# Altium PCB master.PcbDoc (part 10 of 10)
Units mm, origin at the board's own origin, x right, y up, seen from the top; angles counter-clockwise.
Board outline 160 x 120 mm, 6 copper layers (Top Signal, Top GND, Inner PWR, Inner Signal, Bottom GND, Bottom Signal), stack 1.601 mm thick; 526 components, 435 nets, 2167 pads, 1617 vias.
Unrouted connection lines stored in the file: 3.
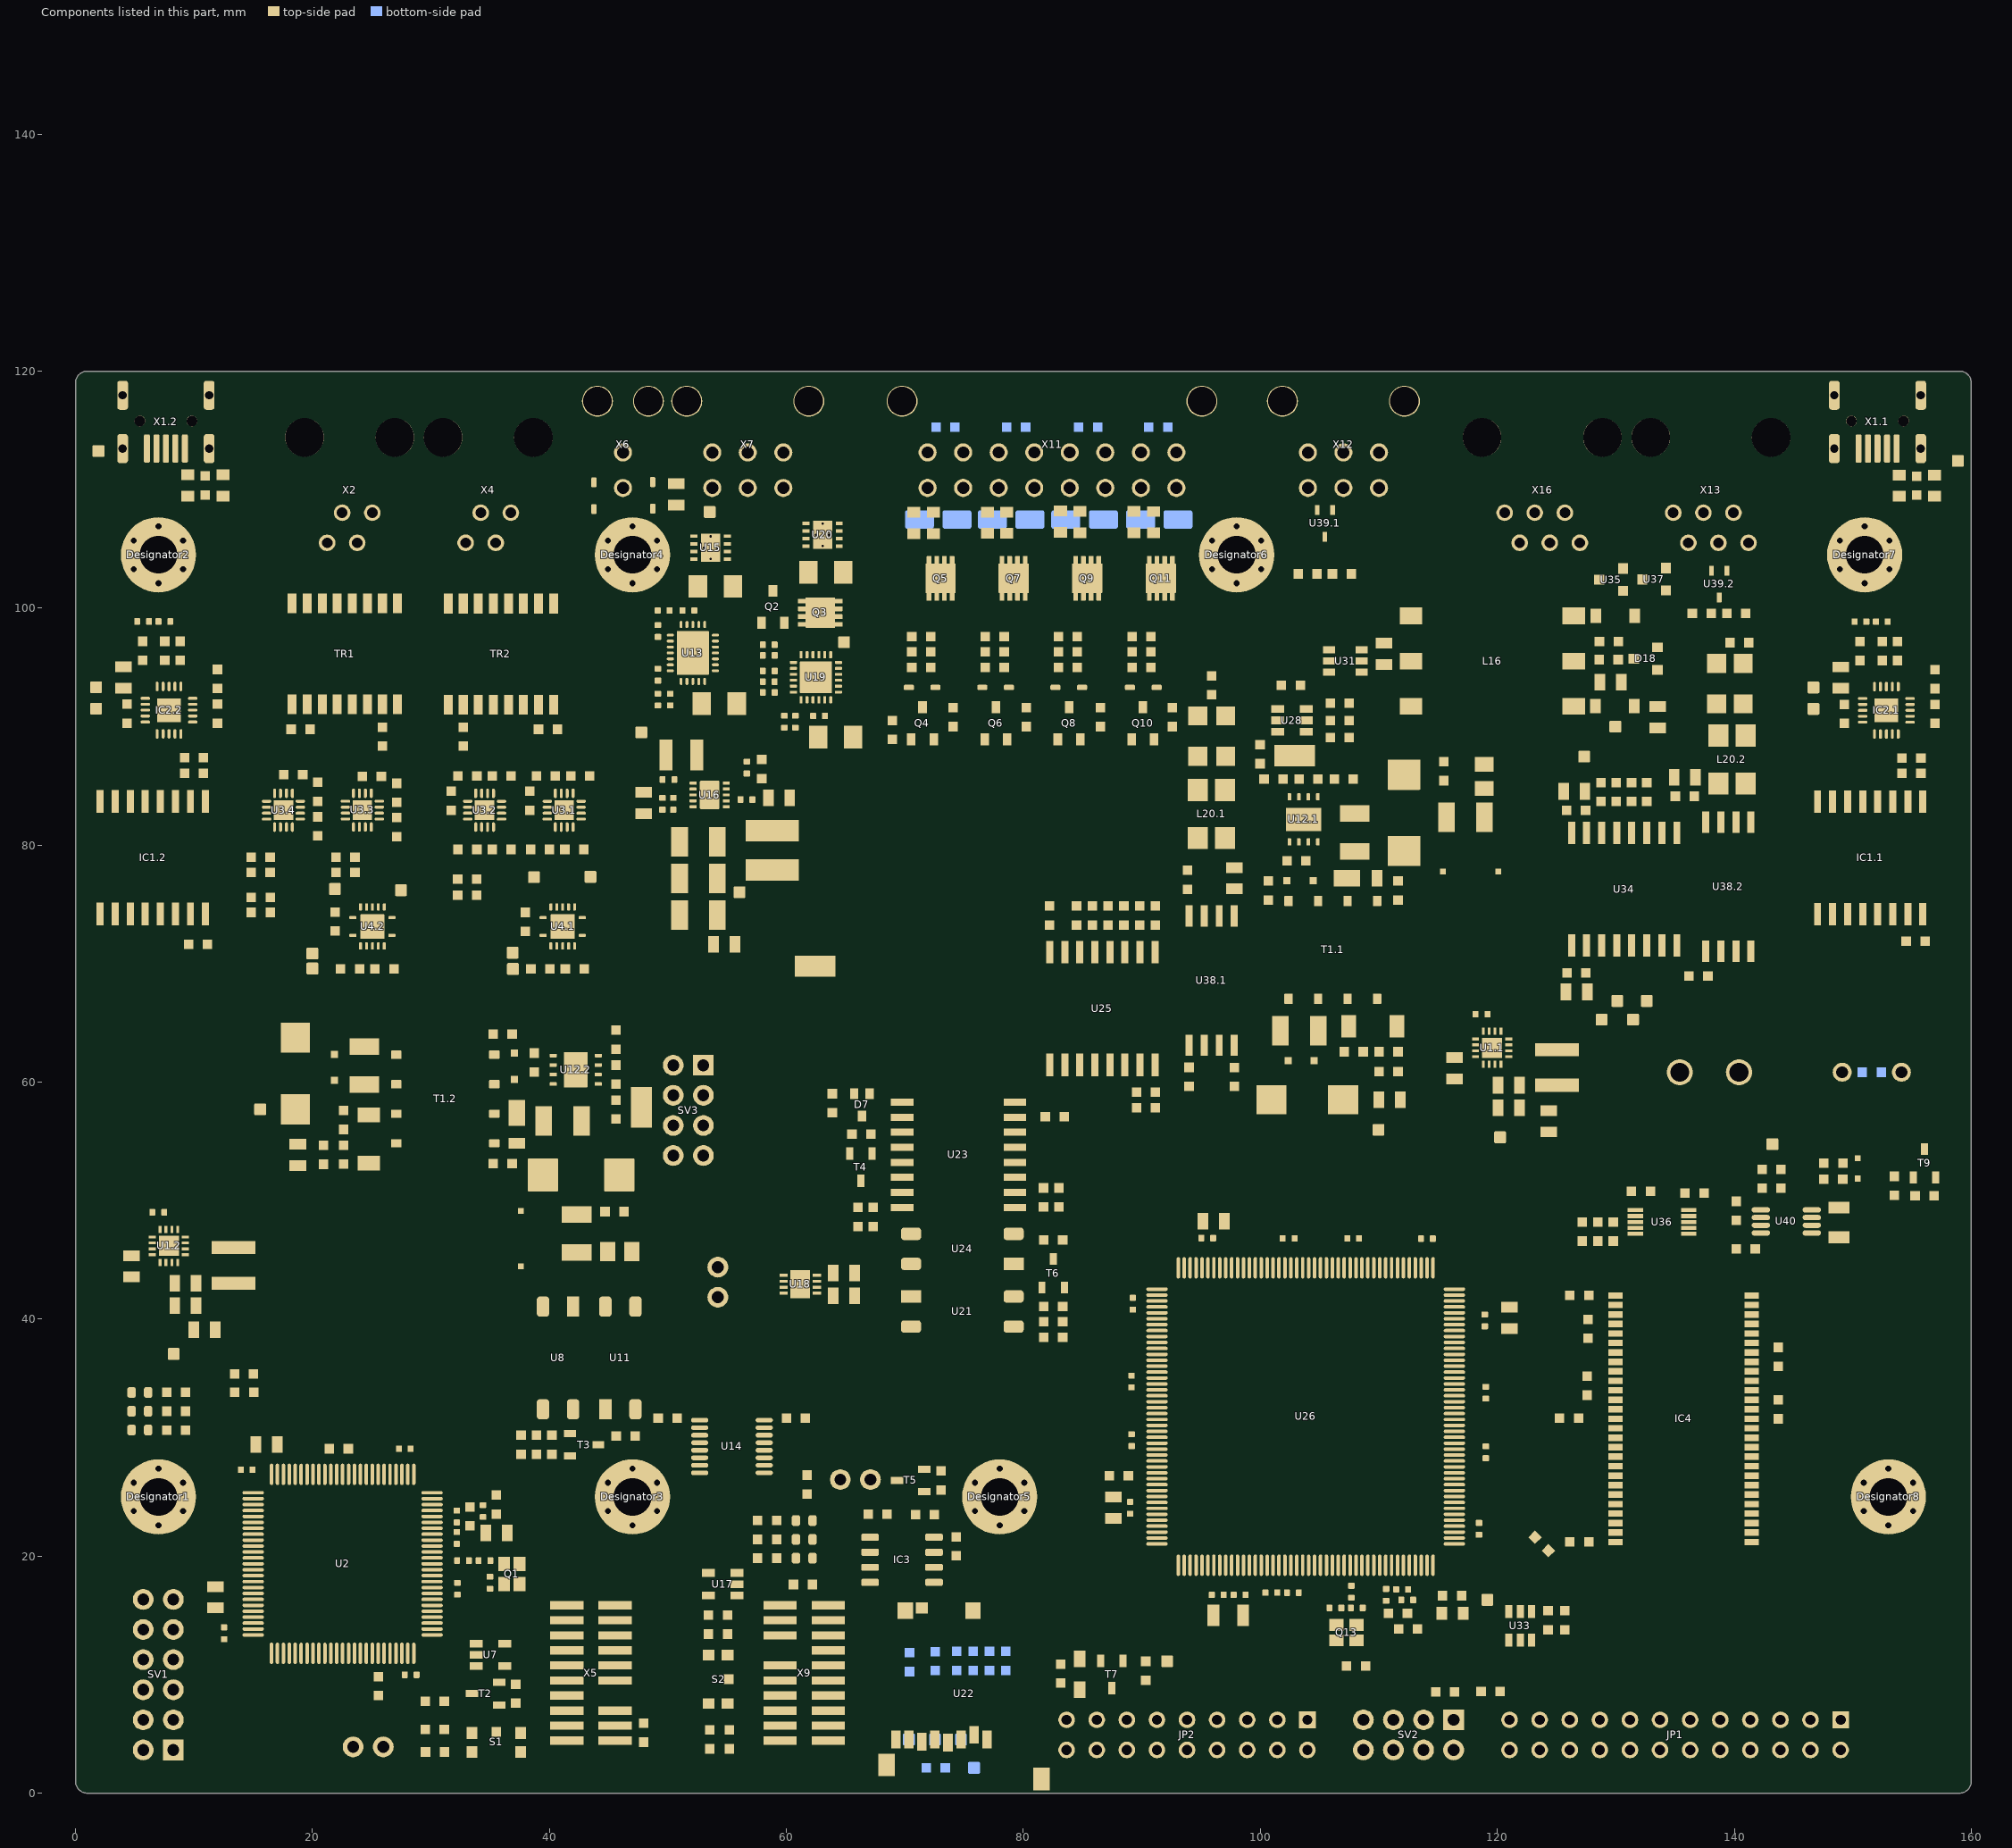
[diagram p14: the components of this part, seen from the top]

## Polygon pours and split planes (outlines as drawn) (continued)
GND_1 on Top Signal "GND_1_L01_P247" (solid, pour order 247): 91.162,41.746 91.15,21.875 93.853,19.172 113.772,19.172 116.509,21.909 116.509,41.697 113.706,44.5 93.916,44.5
GND_2 on Top Signal "GND_2_L01_P252" (solid, pour order 252): 7.35,49.235 7.35,49.594 cw(c9.056,49.594) 7.85,50.8 cw(c9.298,49.352) 9.299,51.4 11.6,51.4 11.6,48.3 8.628,48.3 8.09,48.327 8.047,48.693 7.706,48.819
GND_2 on Top Signal "GND_2_L01_P248" (solid, pour order 248): 15.075,24.666 15.075,14.054 17.227,11.902 27.936,11.902 30.15,14.116 30.15,24.625 27.74,27.035 17.304,27.035
GND_1 on Top Signal "GND_1_L01_P224" (solid, pour order 224): 3.766,43.99 3.766,44.431 3.755,44.441 7.203,44.441 8.478,43.166 8.478,40.18 3.816,40.18 3.755,40.241
NetR71_2 on Top Signal "NETR71_2_L01_P234" (solid, pour order 234): 61.986,41.758 62.479,41.758 63.315,40.922 63.315,40.399 63.221,40.305 56,40.305 56,45.825 63.596,45.825 63.596,45.009 62.63,45.009 61.986,44.215
GND on Top Signal "GND_L01_P233" (solid, remove dead copper, pour order 233): 107.973,93.038 107.973,98.442 104.316,98.442 104.316,93.038
+9-30V_IN_1 on Top Signal "+9-30V_IN_1_L01_P228" (solid, pour order 228): 51.372,92.901 47.326,88.855 52.432,88.855 53.633,90.055 53.633,92.901
NetQ3_5 on Top Signal "Top Signal-NetQ4_5" (solid, remove dead copper, pour order 220): 63.857,101.125 65.403,101.125 65.403,96.006 64.692,95.296 64.087,95.296 64.087,95.536 63.857,95.766 63.117,95.766 63.117,96.972 61.976,98.113 61.976,101.125
EXT_2_SUPPLY on Top Signal "Top Signal-EXT_2_SUPPLY" (solid, pour order 218): 59.554,108.977 57.106,108.977 57.106,97.394 57.99,97.394 58.834,96.55 61.434,96.55 61.617,96.366 61.857,96.366 61.857,96.585 61.359,97.083 59.837,97.083 59.554,97.367
RTN_EXT_0 on Top Signal "Top Signal-RTN_EXT_0" (solid, remove dead copper, pour order 214): 17 vertices, not listed, extent 47.728,90.198 54.338,102.997
GND on Top Signal "GND_L01_P209" (solid, remove dead copper, pour order 209): 70.955,101.453 70.955,99.13 71.732,98.353 72.855,98.353 72.866,98.341 72.866,92.574 75.605,92.574 75.605,101.453
GND on Top Signal "GND_L01_P206" (solid, remove dead copper, pour order 206): 77.127,101.479 77.127,99.156 77.904,98.379 79.027,98.379 79.038,98.367 79.038,92.6 81.777,92.6 81.777,101.479
GND on Top Signal "GND_L01_P203" (solid, remove dead copper, pour order 203): 83.322,101.528 83.322,99.205 84.099,98.427 85.222,98.427 85.233,98.416 85.233,92.649 87.972,92.649 87.972,101.528
GND on Top Signal "GND_L01_P201" (solid, remove dead copper, pour order 201): 89.625,101.479 89.625,99.156 90.402,98.379 91.525,98.379 91.536,98.367 91.536,92.6 94.275,92.6 94.275,101.479
CONTACTOR_NEG_0 on Top Signal "CONTACTOR_NEG_0_L01_P198" (solid, remove dead copper, pour order 198): 73.18,111.299 cw(c73.935,110.544) 73.935,111.612 74.729,111.612 cw(c74.729,110.374) 75.605,111.249 75.605,101.724 70.955,101.724 70.955,104.499 72.039,105.583 73.18,105.583 73.18,111.049
CONTACTOR_NEG_1 on Top Signal "CONTACTOR_NEG_1_L01_P193" (solid, remove dead copper, pour order 193): 79.352,111.325 cw(c80.107,110.57) 80.107,111.638 80.901,111.638 cw(c80.901,110.4) 81.777,111.275 81.777,101.75 77.127,101.75 77.127,104.525 78.211,105.609 79.352,105.609 79.352,111.075
GND_2 on Top Signal "GND_2_L01_P236" (solid, remove dead copper, pour order 236): 0,86.323 0,0.61 0.559,0.051 50.484,0 50.484,2.55 4.4,2.55 2.5,4.45 2.5,86.323
GND_1 on Top Signal "GND_1_L01_P235" (solid, remove dead copper, pour order 235): 160,75.5 160,-1.168 52.73,-1.168 52.73,2.686 157.305,2.15 157.305,75.5
GND on Top Signal "GND_L01_P230" (solid, pour order 230): 54.397,111.744 56.807,113.274 56.807,96.6 56.95,96.458 56.95,90.507 58.339,89.117 58.339,87.784 51.997,87.784 51.885,87.672 51.885,87.853 54.397,90.365
SUPPLY_ext on Top Signal "SUPPLY_EXT_L01_P212" (solid, remove dead copper, pour order 212): 65.005,87.977 65.354,87.628 65.354,64.118 62.211,60.975 62.211,51.686 61.22,50.695 52.63,50.695 51.6,51.725 51.6,57.1 52,57.5 53.7,57.5 56.077,59.877 56.077,70.968 61.9,76.792 61.9,87.95
CONTACTOR_NEG_2 on Top Signal "CONTACTOR_NEG_2_L01_P195" (solid, remove dead copper, pour order 195): 85.547,111.374 cw(c86.302,110.619) 86.302,111.686 87.096,111.686 cw(c87.096,110.448) 87.972,111.324 87.972,101.799 83.322,101.799 83.322,104.574 84.406,105.658 85.547,105.658 85.547,111.124
CONTACTOR_NEG_3 on Top Signal "CONTACTOR_NEG_3_L01_P191" (solid, remove dead copper, pour order 191): 91.85,111.325 cw(c92.605,110.57) 92.605,111.638 93.399,111.638 cw(c93.399,110.4) 94.275,111.275 94.275,101.75 89.625,101.75 89.625,104.525 90.709,105.609 91.85,105.609 91.85,111.075
GND_1 on Top Signal "GND_1_L01_P222" (solid, pour order 222): 115.445,60.701 115.445,61.141 115.434,61.152 118.882,61.152 120.157,59.876 120.157,56.89 115.495,56.89 115.434,56.951
SUPPLY_ext on Top Signal "SUPPLY_EXT_L01_P231" (solid, pour order 231): 64.687,88.162 64.687,86.348 64.687,77 61.904,77 61.904,88.162
GND on Top Signal "GND_L01_P226" (solid, pour order 226): 56.845,114.3 67.818,114.3 68.525,113.593 68.525,84.161 65.59,84.161 65.59,109.87 62.684,112.777 56.753,112.777
GND on Top Signal "GND_L01_P232" (solid, remove dead copper, pour order 232): 57.264,96.476 57.264,90.668 58.442,89.49 61.068,89.49 61.354,89.776 61.354,90.196 61.137,90.413 59.578,90.413 58.472,91.519 58.472,96.476
GND_1 on Bottom Signal "GND_1_L06_P217" (solid, remove dead copper, pour order 217): 159.997,76.925 160.147,-1.168 52.349,-1.168 52.349,21.194 -661.787,8.875 157.125,2.145 157.125,76.925
USB_GND_2 on Bottom Signal "USB_GND_2_L06_P227" (solid, remove dead copper, pour order 227): 0,94.97 0,82.45 15.78,82.45 15.78,94.989
USB_GND_1 on Bottom Signal "USB_GND_1_L06_P225" (solid, remove dead copper, pour order 225): 144.069,94.775 144.069,80.95 160,80.95 160,94.794
SUPPLY_ext on Bottom Signal "SUPPLY_EXT_L06_P215" (solid, pour order 215): 94.8,115.575 94.8,80.23 61.503,80.23 61.503,87.753 65.814,92.064 65.814,115.575
GND on Bottom Signal "GND_L06_P251" (solid, pour order 251): 46.99,65.1 34.915,65.1 34.915,45.226 43.766,45.226 46.99,48.45
GND on Bottom Signal "GND_L06_P250" (solid, pour order 250): 98.125,86.825 98.125,74.75 117.999,74.75 117.999,83.601 114.775,86.825
no net on Bottom Signal "EXT_0_GND_U7_THERMAL" (solid, pour order 249): 65.5,96.131 65.5,80.23 57.58,80.23 57.58,96.055
GND_2 on Bottom Signal "GND_2_L06_P219" (solid, remove dead copper, pour order 219): 49.708,0.092 49.708,2.643 2.375,2.643 2.375,86.3 -0.025,86.3 -0.025,1.025 1,0
NetQ3_5 on Bottom Signal "NETQ3_5_L06_P246" (solid, pour order 246): 57.35,101.08 65.726,101.08 65.756,101.05 65.756,96.656 65.425,96.325 57.341,96.325 57.276,96.39
ZHS_2 on Bottom Signal "ZHS_2_L06_P208" (solid, pour order 208): 65.814,107.893 65.814,101.179 57.35,101.179 57.35,107.825 57.45,107.925
GND on Bottom Signal "EXT_0_GND_U7_THERMAL" (solid, pour order 205): 57.238,90.545 57.238,80.193 56.123,79.079 51.546,79.079 47.461,83.164 47.461,90.45
CONTACTOR_NEG_0 on Bottom Signal "CONTACTOR_NEG_0_L06_P200" (solid, remove dead copper, pour order 200): 75.605,111.1 75.605,92.625 70.599,92.625 70.565,106.058 73.276,106.058 73.276,111.117
CONTACTOR_NEG_1 on Bottom Signal "CONTACTOR_NEG_1_L06_P197" (solid, remove dead copper, pour order 197): 81.777,111.1 81.777,92.625 76.85,92.625 76.85,106.058 79.44,106.058 79.44,111.1
CONTACTOR_NEG_2 on Bottom Signal "CONTACTOR_NEG_2_L06_P194" (solid, remove dead copper, pour order 194): 87.972,111.1 87.972,92.625 82.975,92.625 82.975,106.014 85.398,105.988 85.398,111.1
CONTACTOR_NEG_3 on Bottom Signal "CONTACTOR_NEG_3_L06_P192" (solid, remove dead copper, pour order 192): 94.275,111.1 94.275,92.625 89.3,92.625 89.3,106.038 91.459,106.038 91.459,111.1
RTN_EXT_0 on Bottom Signal "RTN_EXT_0_IC18_THERMAL" (solid, pour order 213): 47.686,90.637 57.106,90.637 57.106,100.689 47.686,100.689
NetR71_2 on Bottom Signal "NETR71_2_L06_P202" (solid, remove dead copper, pour order 202): 55.975,45.815 55.975,40.25 64.846,40.25 64.846,45.815
ZHS_0 on Bottom Signal "Bottom Signal-ZHS" (solid, pour order 211): 50.8,100.715 50.8,107.65 57.061,107.65 57.061,100.715
+3.3V_COM on Inner Signal "+3.3V_COM_L04_P241" (solid, remove dead copper, pour order 241): 143.919,120.009 115.602,120.009 115.526,120.085 115.526,112.685 117.627,110.584 117.627,100.66 122.923,95.363 122.923,82.808 124.206,81.525 144.091,81.525
GND_1 on Inner Signal "Inner Signal-CAN_GND_INT" (solid, remove dead copper, pour order 199): 160,81.026 160,55.347 160.147,-1.168 70.485,-1.168 29.05,-1.168 29.05,87.275 52.448,87.275 53.216,40.668 64.698,40.668 64.698,66.556 69.764,71.623 97.913,71.623 100.686,74.524 118.457,74.433 124.851,81.026
GND_2 on Inner Signal "GND_2_L04_P207" (solid, remove dead copper, pour order 207): -0.027,86.325 29.359,86.325 29.341,35.462 56.25,35.462 56.25,-0.507 0.507,-0.507 0,0
GND on Inner Signal "GND_L04_P242" (solid, remove dead copper, pour order 242): 25 vertices, not listed, extent 32.541,36.625 123.056,120.009
USB_GND_1 on Inner Signal "USB_GND_1_L04_P240" (solid, remove dead copper, pour order 240): 144.069,119.99 144.069,80.95 160,80.95 160,120.009
USB_GND_2 on Inner Signal "USB_GND_2_L04_P210" (solid, pour order 210): -0.6,119.999 -0.6,83.388 14.046,83.388 14.046,96.723 14.046,120.017
no net on Inner Signal "Inner Signal-No Net 1" (solid, pour order 204): 0.025,75.26
no net on Inner Signal "Inner Signal-No Net" (solid, pour order 196): 154.28,60.757
USB_GND_1 on Top GND (split plane): 23 vertices, not listed, extent 145.068,79.852 159.398,119.398
GND_COM on Top GND (split plane): 23 vertices, not listed, extent 116.528,77.527 143.07,119.398
GND_1 on Top GND (split plane): 75 vertices, not listed, extent 51.587,0.601 159.399,77.848
GND on Top GND (split plane): 77 vertices, not listed, extent 32.377,37.052 121.996,119.398
GND_1 on Top GND (split plane): 44.548,67.652 32.133,67.652 32.084,67.709 30.577,69.215 30.577,87.3 44.548,87.3
USB_GND_2 on Top GND (split plane): 27 vertices, not listed, extent 0.602,79.277 14.052,119.399
GND_2 on Top GND (split plane): 64 vertices, not listed, extent 0.602,0.601 54.455,86.315
USB_+3.3V_1 on Inner PWR (split plane): 19 vertices, not listed, extent 144.571,81.352 157.498,94.948
USB_+VBUS_1 on Inner PWR (split plane): 23 vertices, not listed, extent 144.571,89.477 157.498,117.498
+3.3V_COM on Inner PWR (split plane): 25 vertices, not listed, extent 116.027,79.562 143.566,117.303
+3.3v_in on Inner PWR (split plane): 75 vertices, not listed, extent 33.477,37.177 125.738,117.303
USB_+3.3V_2 on Inner PWR (split plane): 23 vertices, not listed, extent 2.502,83.23 14.411,94.848
USB_+VBUS_2 on Inner PWR (split plane): 20 vertices, not listed, extent 2.502,91.202 14.393,117.303
+3.3V_0 on Inner PWR (split plane): 104 vertices, not listed, extent 28.677,2.502 157.498,87.225
+3.3V_1 on Inner PWR (split plane): 45 vertices, not listed, extent 2.502,2.502 54.923,86.798
USB_GND_1 on Bottom GND (split plane): 159.078,119.392 159.153,119.369 159.222,119.332 159.282,119.282 159.332,119.222 159.369,119.153 159.392,119.078 159.399,119.007 159.398,119 159.398,81.785 146.81,81.785 145.071,83.524 145.071,119.398 159,119.398 159.007,119.399
GND_COM on Bottom GND (split plane): 23 vertices, not listed, extent 116.528,78.327 143.067,119.398
+9-30V_IN_1 on Bottom GND (split plane): 88 vertices, not listed, extent 34.252,38.052 121.996,119.398
GND_1 on Bottom GND (split plane): 140 vertices, not listed, extent 29.802,0.601 159.399,87.45
USB_GND_2 on Bottom GND (split plane): 33 vertices, not listed, extent 0.601,77.877 14.11,119.399
GND_2 on Bottom GND (split plane): 75 vertices, not listed, extent 0.601,0.601 54.548,87.45

## Keep-outs
Top Signal:
  lines w1.8: 16.05,88.209 21.213,88.209 21.675,88.671 21.675,89.469 ; 37.325,89.43 37.325,88.625 37.763,88.187 42.148,88.187 42.9,88.939 42.9,91.925
  lines w2.5: 11.454,77.975 12.669,79.189 12.669,85.194 ; 12.7,85.214 15.119,87.633 15.119,119.493 ; 15.14,94.655 29.269,94.655 ; 29.575,93.736 29.575,68.775 31.175,67.175 ; 31.175,66.54 45.486,66.54 45.486,103.189 41.879,106.796 41.879,119.984
  lines w3.8: 50.596,0 50.596,20.711 55.4,25.515 55.4,35.475 ; 115.525,118.643 115.525,112.567 117.628,110.464 117.628,95.25 122.936,89.942 122.936,74.55 ; 143.919,78.175 143.919,110.744 143.919,118.564
  lines w5: 0.375,77.975 11.454,77.975 ; 31.175,66.54 31.175,40.584 35.709,36.05 75.3,36.05 75.3,60.2 81.75,66.65 96.875,66.65 100.45,70.225 119.775,70.225 125.9,76.35
  lines w6: 124.7,76.25 141.994,76.25 143.919,78.175 ; 144.382,78.715 160,78.715
Inner Signal:
  lines w1: 0.025,82.855 11.76,82.855 11.76,85.34 14.612,88.192 14.612,97.8 14.612,120 ; 14.612,89.778 44.936,89.778 44.936,98.013 41.377,101.572 41.377,120 ; 29.775,89.82 29.775,68.521 28.175,66.922 28.175,38.202 31.177,35.2 40.076,35.2 54.208,35.2 55.441,33.967 55.441,25.566 51.003,21.128 51.003,0 ; 44.936,94.162 45.6,93.497 45.6,68.325 43,65.725 34,65.725 32.992,64.717 32.992,41.597 34.486,40.104 41.258,40.104 56.161,40.104 59.565,36.7 74.925,36.7 74.925,60.063 81.687,66.825 96.65,66.825 102.15,72.325 119.942,72.325 128.483,80.866 159.911,80.866 ; 115.526,120.085 115.526,112.897 117.627,110.795 117.627,100.462 122.998,95.091 122.998,82.258 126.437,78.82 ; 143.946,80.866 143.946,119.962
Bottom Signal:
  lines w0.3: 57.278,90.585 57.475,90.388 57.475,80.025 61.65,80.025 61.7,79.975 61.7,88.025 65.675,92 65.675,96.668 ; 57.332,96.313 65.351,96.313 65.814,96.776 65.814,101.179 ; 57.332,99.125 57.332,107.95 ; 57.332,100.979 51.057,100.979 ; 51.057,100.979 48.42,100.979 47.461,100.02 47.461,90.45 57.143,90.45 57.332,90.64 57.332,101.125 65.814,101.125 65.814,107.95 57.332,107.95 ; 51.057,100.979 50.8,101.236 50.8,107.79 50.96,107.95 57.332,107.95
  lines w1: 14.612,118.77 14.612,113.785 15.291,113.106
  lines w2: 15.291,97.155 15.291,113.106
  lines w2.5: 0.7,76.825 11.6,76.825 13.175,78.4 13.175,85.625 15.119,87.569 15.119,96.984 15.291,97.155 ; 15.119,97.293 15.119,119.493 ; 29.6,89.325 29.6,66.45 43.675,66.45 45.504,68.279 45.504,103.257 41.879,106.882 41.879,119.984
  lines w3.8: 31.15,65.825 31.15,40.825 35.95,36.025 74.75,36.025 74.75,59.6 81.65,66.5 96.675,66.5 103,72.825 122.672,72.825 122.875,73.028 122.875,95.3 117.628,100.547 117.628,110.464 115.525,112.567 115.525,118.643 ; 50.596,0 50.596,20.691 55.4,25.495 55.4,36.025 ; 123.075,77.925 143.69,77.925 144.069,77.546 160,77.546 ; 143.919,77.546 143.919,110.744 143.919,118.564
Keep-Out Layer:
  the board outline again, w0

## Other copper
Top Signal:
  rectangle net +5.0V_1: 16.352,51.675 19.46,53.675
  rectangle net GND: 95.48,93.889 96.28,95.385
  region net +3.3V_COM: 130.826,90.348 130.826,88.433 135.075,88.433 135.075,90.348
  rectangle net GND_COM: 132.222,93.441 133.968,95.185
  rectangle net +3.3V_1: 9.483,36.355 13.304,37.987
  rectangle net +3.3V_0: 121.222,54.53 126.682,56.252
  region net +9-30V_IN_1: 53.482,92.44 53.482,93.997 52.531,93.997 52.531,92.44
  region net +9-30V_IN_1: 53.487,91.969 53.487,92.916 52.199,92.916 52.199,91.969
  region net NetC162.2_1: 137.703,96.127 138.947,97.371 cw(c139.224,97.094) 139.224,97.485 140.024,97.485 140.12,97.389 cw(c139.676,96.945) 140.304,96.945 ccw(c141.024,96.945) 140.515,96.435 140.6,96.35 ccw(c140.725,96.475) 140.725,96.298 141.15,96.298 cw(c141.15,95.75) 141.537,96.138 141.548,96.127 141.548,94.527 137.78,94.527 cw(c137.78,94.636) 137.703,94.559
  pour cut-out: 6.164,93.169 9.663,93.169 9.665,89.685 6.166,89.685
  pour cut-out: 151.062,93.153 154.561,93.153 154.563,89.669 151.065,89.669
  region net USB_GND_1: 151.084,91.5 150.197,91.5 149.529,90.832 148.011,90.832 147.946,90.767 147.946,89.963 148.026,89.882 150.261,89.882 150.261,91.001 150.51,91.25 151.082,91.25
  region net USB_+VBUS_1: 151.063,91.75 150.139,91.75 149.515,91.125 147.617,91.125 147.421,91.321 147.421,93.457 147.646,93.682 150.091,93.682 150.261,93.511 150.261,92.057 150.319,92 151.063,92
  region net USB_GND_1: 150.998,96.782 150.69,96.782 149.678,95.77 149.678,94.582 147.597,94.582 147.421,94.759 147.421,97.334 147.669,97.582 150.998,97.582
  region net USB_+3.3V_1: 150.198,95.182 150.198,94.262 150.658,93.802 151.713,93.802 151.713,93.1 151.96,93.1 151.96,94.221 151.458,94.722 151.458,95.522 150.998,95.982 150.198,95.982
  region net USB_+3.3V_2: 5.253,95.198 5.253,94.278 5.712,93.819 6.767,93.819 6.767,93.116 7.014,93.116 7.014,94.237 6.513,94.738 6.513,95.538 6.053,95.998 5.253,95.998
  region net USB_GND_2: 6.053,96.799 5.744,96.799 4.732,95.787 4.732,94.598 2.652,94.598 2.475,94.775 2.475,97.35 2.724,97.599 6.053,97.599
  region net USB_+VBUS_2: 6.117,91.766 5.193,91.766 4.569,91.142 2.671,91.142 2.475,91.338 2.475,93.474 2.7,93.699 5.145,93.699 5.316,93.528 5.316,92.073 5.373,92.016 6.117,92.016
  region net USB_GND_2: 6.138,91.516 5.251,91.516 4.583,90.848 3.065,90.849 3,90.784 3,89.979 3.081,89.898 5.316,89.898 5.316,91.018 5.564,91.266 6.136,91.266
  region net GND: 51.675,82.425 54.054,82.425 54.098,82.381 54.098,81.923 53.95,81.775 53.302,81.775 53.128,81.601 53.128,73.001 52.775,72.648 51.65,72.648
  region net GND: 51.682,83.639 51.682,82.636 50.805,82.636 50.805,83.058 51.583,83.836 52.199,83.836 52.199,83.639
  region net +9-30V_IN_1: 47.933,49.481 45.886,49.481 45.886,48.418 44.717,48.418 44.521,48.222 44.521,46.9 44.696,46.725 45.834,46.725 45.834,44.855 47.951,44.855
  region net +9-30V_IN_1: 115.069,87.825 115.069,86.38 116.132,86.38 116.132,84.608 116.328,84.412 117.65,84.412 117.825,84.587 117.825,85.725 119.695,85.725 119.695,87.843
  region net GND: 101.863,81.182 105.416,81.182 105.644,80.968 109.209,80.968 109.209,81.1 116.419,81.1 116.419,83.6 115.869,84.15 115.869,85.066 113.715,87.22 108.685,87.22 107.434,85.969 107.434,84.981 107.415,84.981 105.596,83.162 102.926,83.162 102.624,83.464 102.624,84.981 98.8,84.981 98.8,81.64 101.405,81.64
  region net NetC50.1_2: 118.469,80.425 118.469,80.85 118.094,81.225 118.094,85.419 120.372,85.419 120.878,84.913 120.878,75.534 120.469,75.125 119.875,75.719 119.875,79.675
  region net NetC47.1_1: 110.616,76.575 112.275,76.575 113.725,75.125 115.869,75.125 115.869,80.425 115.514,80.78 110.724,80.78 110.116,80.172 105.75,80.172 105.391,79.813 104.41,79.813 104.2,80.023 104.2,80.572 103.9,80.572 103.9,79.719 104.847,78.772 108.411,78.772 108.893,78.29 108.893,76.31 109.511,75.692 109.511,74.881 110.207,74.916 110.207,75.694 110.616,76.103
  region net GND: 105.259,106.435 105.259,106.12 105.115,105.975 105.115,104.375 105.75,104.375 105.75,105.998 105.63,106.118 105.63,106.435
  region net NetC50.2_2: 45.544,46.5 43.762,46.5 43.587,46.325 40.5,46.325 40.225,46.05 40.225,44.05 44.694,44.05 45.544,44.9
  region net NetC47.2_1: 40.214,55.485 40.214,54.033 40.727,53.52 40.727,50.052 40.225,49.55 34.925,49.55 34.925,51.2 36.145,52.42 36.145,54.078
  region net NetC162.1_1: 93.918,90.097 93.918,91.697 95.318,93.097 96.443,93.097 97.843,91.697 97.843,90.109 97.831,90.097
  region net +3-4.5v_out: 134.218,91.118 131.78,91.118 130.226,92.671 130.226,98.438 131.746,99.958 134.036,99.958 134.036,97.382 132.488,97.382 132.051,96.945 132.051,93.204 132.217,93.038 134.218,93.038
  region net GND_COM: 125.518,93.219 125.518,95.457 127.651,97.589 128.926,97.589 128.926,93.219
  region net NetL16_3: 109.047,94.888 110.825,93.109 113.659,93.109 113.659,91.028 110.053,91.028 108.047,93.034 108.047,94.888
  region net +3.3v_in: 108.047,95.238 109.047,95.238 110.938,93.347 113.659,93.347 113.659,96.337 111.976,96.337 109.546,96.337 109.047,95.838 108.047,95.838
  region net NetL16_1: 108.047,96.188 108.047,98.6 109.494,100.048 113.659,100.048 113.659,97.929 109.851,97.929 109.047,97.125 109.047,96.188
  pour cut-out: 145.843,46.921 145.843,49.846 147.134,51.136 150.086,51.136 150.9,50.322 150.9,46.075 150.1,45.275 147.201,45.275 145.843,46.633
  region net NetQ3_5: 63.117,96.972 63.117,95.766 63.956,95.766 64.087,95.635 64.087,95.296 64.687,95.296 65.403,96.011 65.403,98.001
  region net GND: 44.85,65.097 46.863,65.097 47.701,65.935 47.701,67.666 47.264,68.103 47.264,70.497 51.682,70.497 51.682,60.678 51.132,60.127 49.439,60.127 46.463,60.127 46.463,63.534 46.012,63.985 44.861,63.985 44.824,63.947
  region net SUPPLY_ext: 60.3,57.482 51.682,57.482 51.682,52.756 60.3,52.756
  region net +3.3v_in: 53.405,72.323 52.985,71.902 52.985,66.908 53.272,66.62 53.862,66.62 55.808,68.566 55.807,70.206 54.879,70.849 54.879,71.923 54.48,72.323
  region net EXT_+3.3V_0+: 57.264,72.844 56.043,71.623 55.205,71.623 55.205,72.192 54.554,72.844
  region net NetL15_2_1: 8.99,46.555 9.78,46.555 10.16,46.935 14.836,46.935 15.192,46.578 15.192,44.864 14.813,44.485 10.475,44.485 9.645,45.315 8.99,45.315
  region net +3.3V_1+: 15.192,43.578 11.278,43.578 10.878,43.978 9.769,43.978 9.506,43.716 9.506,40.313 9.578,40.241 11.76,40.241 11.961,40.442 13.361,40.442 15.192,42.273
  region net +5.0V_1: 6.778,45.315 6.314,45.315 5.657,44.658 3.755,44.658 3.755,46.746 3.766,46.757 3.777,46.745 5.988,46.745 6.178,46.555 6.778,46.555
  region net GND_2: 3.755,44.441 5.317,44.441 5.89,43.868 5.89,43.56 6.2,43.25 8.286,43.25 8.286,40.025 5.126,40.025 3.755,41.396
  region net GND_2: 8.008,45.085 7.878,45.215 7.878,47.155 8.008,47.285 8.008,48.401 8.748,48.401 8.748,47.055 8.718,47.025 8.718,45.345 8.748,45.315 8.748,45.085 9.175,44.658 9.175,40.241 7.654,40.241 7.654,43.99 8.008,44.345
  region: 61.923,42.715
  region: 25.898,37.602 25.975,37.526
  region net +5.0V_0: 111.023,56.89 115.275,56.89 115.275,61.4 113.365,61.4 113.365,59.975 111.023,59.975
  region net +3.3V_0+: 126.871,60.289 122.957,60.289 122.557,60.689 121.448,60.689 121.186,60.426 121.186,57.023 121.257,56.951 123.44,56.951 123.64,57.152 125.04,57.152 126.871,58.983
  region net +5.0V_0: 118.457,62.025 117.993,62.025 117.336,61.369 113.367,61.369 113.367,63.455 117.667,63.455 117.857,63.265 118.457,63.265
  region net GND_1: 119.687,61.795 119.557,61.925 119.557,63.865 119.687,63.995 119.687,65.112 120.427,65.112 120.427,63.765 120.397,63.735 120.397,62.055 120.427,62.025 120.427,61.795 120.854,61.369 120.854,60.627 119.333,60.627 119.333,60.701 119.687,61.055
  region net NetL15_1_1: 120.669,63.265 121.459,63.265 121.839,63.645 126.515,63.645 126.871,63.289 126.871,61.575 126.492,61.195 122.154,61.195 121.324,62.025 120.669,62.025
  region net SUPPLY_ext: 63.117,90.99 61.904,89.776 61.904,88.162 64.687,88.162 64.687,90.19 65.403,90.905 65.403,92.321 64.687,93.036 64.327,93.036 63.857,92.566 63.117,92.566
  region net GND: 64.687,95.036 65.59,95.939 66.276,95.939 66.276,92.393 65.59,92.393 64.688,93.295 63.587,93.298 63.587,95.036
  region net EXT_2_SUPPLY: 61.682,99.051 61.682,101.114 62.633,102.065 62.633,103.96 61.928,104.665 61.009,104.665 59.457,103.113 59.457,99.051
  region net GND: 51.682,70.497 47.264,70.497 47.264,83.107 48.664,83.107 51.285,83.107 51.682,82.71
  region net EXT_+3.3V_0+: 53.482,80.845 55.179,80.845 56.556,79.468 60.396,79.468 61.052,78.813 61.052,76.631 57.264,72.844 53.482,72.844
  region net +9-30V_IN_1: 51.496,84.122 51.132,83.759 47.513,83.759 47.264,84.007 47.264,90.036 50.385,90.036 50.385,86.31 50.045,85.97 50.045,85.101 50.385,84.762 50.409,84.786 51.071,84.786 51.496,84.361
  region net NetC69_1: 54.635,83.361 57.468,83.361 57.772,83.057 60.73,83.057 61.052,82.736 61.052,80.312 56.556,80.312 54.635,82.232
  region: 125.318,146.6
  region net GND: 51.885,89.006 51.885,86.047 52.037,85.895 54.633,85.887 54.633,85.111 55.395,85.111 56.051,85.767 56.051,87.227 56.272,87.447 57.178,87.447 57.515,87.784 58.339,87.784 58.339,88.987
  region net NetC47.2_1: 34.923,55.183 35.735,55.183 36.353,55.8 38.332,55.8 38.814,56.283 38.814,59.847 39.761,60.794 40.614,60.794 40.614,60.494 40.065,60.494 39.855,60.284 39.855,59.303 40.214,58.944 40.214,55.485 38.807,54.078 36.145,54.078 35.736,54.487 34.958,54.487
  region net GND: 43.204,61.767 43.506,62.069 44.85,62.069 44.85,65.097 39.307,65.097 39.307,62.995 40.822,62.995 41.224,62.593 41.224,54.46 41.01,54.232 41.01,48.125 43.506,48.117 44.286,48.675 45.086,48.675 45.086,49.475 46.225,50.744 47.174,50.744 47.171,53.508 46.427,54.253 46.427,57.687 45.011,57.687 43.204,59.494
  region net NetC24.2_2: 27.509,57.637 27.509,53.253 26.574,52.318 22.212,52.318 22.212,52.678 23.459,53.926 23.459,55.777 24.065,56.383 25.917,56.383 26.06,56.526 26.06,57.668
  region net GND_2: 27.494,59.482 27.494,62.651 25.471,64.675 17.325,64.675 17.325,61.251 22.923,61.251 23.247,60.927 26.01,60.927 26.01,59.791 26.319,59.482
  region net +5.0V_1+: 25.639,60.493 17.325,60.493 17.325,54.775 17.85,54.25 17.873,54.273 21.325,54.273 21.325,55.888 22.146,56.71 23.722,56.71 23.815,56.617 25.705,56.617 25.705,60.427
  region net +5.0V_0+: 104.201,65.596 104.201,56.89 110.421,56.89 110.421,61.283 108.806,61.283 107.984,62.104 107.984,63.68 108.077,63.772 108.077,65.662 104.267,65.662
  region net GND_1: 105.259,67.467 101.443,67.467 98.6,64.624 98.6,56.252 103.222,56.252 103.222,62.66 103.767,63.204 103.767,65.967 104.903,65.967 105.259,66.323
  region net NetC24.1_2: 106.966,67.467 111.441,67.467 112.376,66.532 112.376,62.17 112.015,62.17 110.768,63.417 108.917,63.417 108.311,64.023 108.311,65.875 108.168,66.017 106.966,66.017
  pour cut-out: 53.377,32.477 53.377,25.846 54.013,25.21 56.959,25.21 57.475,25.726 57.475,33.874 57.298,34.051 53.563,34.051 53.359,33.848
  pour cut-out: 28.75,19.845 30.806,19.845 30.907,19.946 30.907,19.965 31.573,20.632 32.982,20.632 33.267,20.917 38.397,20.917 38.913,20.402 38.913,16.544 38.327,15.959 34.228,15.959 33.487,16.699 33.487,18.15 32.037,18.15 31.754,18.15 31.469,18.435 28.75,18.435
  region net EXT_0_SUPPLY: 52.482,98.437 53.222,98.437 53.222,101.294 52.545,101.971 51.427,101.971 51.427,100.563 51.978,100.012 51.978,99.579 52.482,99.075
  pour cut-out: 106.08,17.297 105.684,17.297 104.95,16.563 104.95,11.627 109.573,11.627 109.573,16.682 108.861,17.394 108.861,17.761 108.27,18.352 108.27,20.084 108.144,20.211 106.044,20.211
  pour cut-out: 96.393,20.041 96.393,18.304 96.356,18.267 95.598,18.267 94.667,17.337 94.667,13.752 95.208,13.211 99.491,13.211 99.955,13.675 99.955,17.314 98.933,18.336 98.284,18.336 98.284,20.089
  text "1" at 153.349,29.708 h2 r90
Inner Signal:
  rectangle net +5.0V_0: 113.367,58.225 115.4,63.45
  rectangle net +5.0V_0: 111.025,56.875 115.4,58.25
  text "4" at 153.349,35.708 h2 r90
Bottom Signal:
  region net +9-30V_IN_1: 117.999,84.35 117.999,87.8 115.944,87.8 115.944,84.35
  text "6" at 153.349,39.708 h2 r90
Top GND (plane layer: these items are gaps in the copper):
  region: 14.249,120 14.249,97.19 14.249,87.45 13.114,86.315 28.863,86.315 29.96,87.3 45.355,87.3 45.355,102.904 41.377,106.883 41.377,120
  lines w0.25: 29.312,18.575 31.25,18.575 31.681,18.143 33.529,18.143 33.63,18.041 33.63,16.72 34.265,16.086 38.43,16.086 38.913,16.568 38.913,20.434 38.41,20.937 33.222,20.937 32.954,20.669 31.477,20.669 31.09,20.282 31.09,19.819 30.912,19.642 29.312,19.642 ; 145.945,51.134 145.945,52.544 147.178,53.777 150.068,53.777 150.771,53.074 150.771,48.914 150.06,48.202 147.251,48.202 145.967,49.486 145.967,49.614
  lines w0.4: 96.571,19.939 96.571,18.11 95.416,18.11 94.615,17.31 94.615,13.716 95.12,13.211 99.504,13.211 100.041,13.748 100.041,17.332 99.263,18.11 98.07,18.11 98.07,19.99 ; 106.553,19.99 106.553,17.362 105.678,17.362 105.172,16.856 104.953,16.637 104.953,14.82 104.953,11.69 109.55,11.69 109.55,16.856 108.245,18.161 108.052,18.161 108.052,19.99
  lines w1: 0,74.625 0.083,74.625 ; 14.453,120 14.554,120 14.554,114.376 14.554,96.96 14.554,87.063 ; 27.664,94.264 27.664,91.363 30.125,88.902 ; 68.377,0 69.368,0
  lines w1.2: 159,119.628 cw(c159,118.628) 160,118.628 ; 159,120 1,120 ccw(c1,119) 0,119 0,1 ccw(c1,1) 1,0 159,0 ccw(c159,1) 160,1 160,119
  lines w2: 0.425,78.275 12.65,78.275 12.65,85.158 14.554,87.063 ; 29.475,90.39 29.575,90.29 29.575,68.8 31.375,67 31.375,40.48 35.78,36.075 45.1,36.075 56.311,36.075 ; 31.375,66.65 45.55,66.65 45.55,103.14 42.139,106.551 42.139,113.233 42.139,115.364 42.139,119.55 ; 50.607,0.8 50.607,20.807 55.457,25.657 55.457,31.58 55.457,35.905 ; 56.386,36 56.436,36.05 75.225,36.05 75.225,60.225 81.75,66.75 96.925,66.75 100.575,70.4 119.725,70.4 122.998,73.673 122.998,89.727 ; 115.526,119.55 115.526,112.685 117.627,110.584 117.627,95.098 122.998,89.727 ; 144.069,78.744 144.069,119.355 ; 159.5,78.85 144.175,78.85 141.85,76.525 122.998,76.525 122.998,82.258 122.998,89.727
  text "2" at 153.349,31.708 h2 r90
Inner PWR (plane layer: these items are gaps in the copper):
  region: 14.298,119.44 14.298,96.63 14.523,96.365 14.523,88.265 12.972,86.32 29.057,86.331 29.517,87.225 45.403,87.225 45.403,97.072 41.425,101.05 41.425,119.44
  region: 1.295,85.42 1.549,85.42 4.242,82.728 4.064,82.55 1.194,82.55
  region: 4.242,82.728 1.778,80.264 1.549,80.264 1.549,82.47 1.295,82.724
  lines w0.25: 0.263,91.075 3.998,91.075 4.8,91.877 4.8,94.5 5.275,94.975 7.528,94.975 14.772,94.975 ; 144.05,89.35 148.541,89.35 ; 148.505,89.35 149.041,89.35 149.597,89.905 149.597,94.347 150.325,95.075 152.775,95.075 153.8,94.05 159.45,94.05
  lines w1: 0.263,91.075 0.263,95.275 0.263,92.939 0.263,83.76 1.295,82.728 11.157,82.728 12.606,84.177 12.606,86.184 14.913,88.491 14.913,95.549 ; 14.453,120 14.453,96.882 14.896,96.438 14.896,94.852 ; 14.859,88.437 15.346,87.95 ; 28.905,120 28.905,110.515 30.048,109.372 ; 29.5,87.95 29.8,87.65 29.8,68.525 28.175,66.9 28.175,64.29 28.175,38.175 31.15,35.2 49.176,35.2 54.25,35.2 55.425,34.025 55.425,25.575 51.05,21.2 51.05,-0.025 ; 41.377,120.015 41.377,101.61 45.438,97.549 45.438,93.912 45.575,93.775 45.575,68.275 43.05,65.75 39.572,65.75 39.522,65.7 34,65.7 32.975,64.675 32.975,41.584 34.484,40.075 56.2,40.075 59.6,36.675 74.925,36.675 74.925,60 81.75,66.825 96.625,66.825 102.152,72.352 119.95,72.352 124.345,76.747 126.537,78.939 ; 43.612,117.805 49.911,117.805 ; 115.525,120.085 115.525,112.9 117.625,110.8 117.625,100.45 123,95.075 123,82.3 126.325,78.975 ; 126.51,78.912 128.448,80.85 159.895,80.85 ; 142.962,80.863 144.069,81.969 144.069,83.109 ; 144.069,119.99 144.069,82.048 145.267,80.85 ; 156.845,117.805 2.87,117.805 1.854,116.789 1.854,2.946 2.845,1.956 157.099,1.956 157.937,2.794 157.937,56.998 157.937,69.291 ; 157.912,77.546 157.912,77.699
  lines w2: 159.895,80.85 159.995,80.95
  lines w5: 0,1 ccw(c1,1) 1,0 159,0 ccw(c159,1) 160,1 160,119 ccw(c159,119) 159,120 1,120 ccw(c1,119) 0,119 0,1
  text "3" at 153.349,33.708 h2 r90
Bottom GND (plane layer: these items are gaps in the copper):
  rectangle: 123.44,75 126.1,79.575
  region: 14.11,120 14.11,87.45 45.355,87.45 45.355,97.632 41.377,101.61 41.377,120
  lines w1: 0.025,75.375 0.025,75.413 ; 13.005,120 14.612,120 14.612,114.343 14.612,97.968 ; 40.97,120.015 40.97,116.533 41.377,116.126 41.377,112.471 41.377,101.561
  lines w1.2: 0,1 ccw(c1,1) 1,0 159,0 ccw(c159,1) 160,1 160,119 ccw(c159,119) 159,120 1,120 ccw(c1,119) 0,119 0,1
  lines w2: 0.475,76.875 10.005,76.875 11.525,76.875 13.1,78.45 13.1,85.712 14.612,87.225 14.612,97.968 ; 29.45,90.75 29.45,68.85 28.8,68.2 28.8,40.075 35,33.875 48.154,33.875 54.9,33.875 55.55,33.225 55.55,27.625 55.55,25.716 55.25,25.416 50.55,20.716 50.55,18.579 ; 41.377,101.561 46.075,96.862 46.075,68 43.8,65.725 34.525,65.725 33.25,64.45 33.25,41.8 36.975,38.075 43.341,38.075 51.228,38.075 58.107,38.075 59.132,37.05 73.625,37.05 74.625,38.05 74.625,59.549 81.551,66.475 96.675,66.475 103.155,72.955 123.114,72.955 127.491,77.332 122.998,81.825 ; 50.55,0.531 50.55,18.469 ; 115.525,119.45 115.525,112.685 117.627,110.584 117.627,100.598 122.998,95.227 122.998,81.825 ; 122.998,72.955 122.998,81.825 ; 127.175,77.325 138.285,77.325 144.069,83.109 ; 141.743,80.783 159.5,80.783 ; 144.069,119.45 144.069,83.109 ; 146.394,80.783 144.069,83.109
  text "5" at 153.349,37.708 h2 r90
Multi-Layer:
  lines w0.2: 151.349,31.703 153.314,31.703 ; 151.349,33.684 153.349,33.684 ; 151.349,35.708 153.349,35.708 ; 151.349,37.697 153.349,37.697 ; 151.349,39.704 153.349,39.704 ; 151.349,29.708 151.349,41.708 153.349,41.708 153.349,29.708 151.349,29.708

## Silkscreen, mask and mechanical layers (free items; w line width, h text height)
Top Overlay:
  drawing of 263 lines, arcs and shapes, not listed
  text "D" at 96.895,97.41 h2
  text "eFuse: 2A" at 48.076,94.334 h1.27 r90
  text "F" at 23.002,88.936 h1
  text "E" at 34.946,88.647 h1
  text "C" at 47.621,86.909 h1
  text "D" at 98.696,83.935 h1
  text "C" at 70.632,74.261 h2
  text "B" at 72.08,67.097 h2
  text "B" at 38.296,63.785 h1
  text "A" at 6.675,61.2 h2 r270
  text "E" at 57.575,60.21 h2
  text "A" at 16.094,55.41 h1 r270
  text "3.3V" at 122.672,53.227 h1.5
  text "F" at 21.92,47.872 h2
  text "Interlock / Override" at 52.75,40.525 h1.3 r90
  text "3.3V" at 5.717,38.734 h1.5
  text "foxBMS.org" at 157.675,29.35 h2.54 r90
  text "foxBMS BMS-Master v'.GlobalVersion'" at 155.85,27.35 h1.27 r90
  text "Creative Commons" at 130.761,10.011 h1.27
  text "Attribution 4.0" at 130.761,8.792 h1.27
  text "1" at 105.792,5.695 h1.8
  text "1" at 150.392,5.695 h1.8
  text "1" at 10.084,3.099 h1.8
Bottom Overlay:
  lines w0.3: 129.996,98.887 135.549,98.887 135.75,98.887 136.119,98.519 136.119,95.665
  text "1" at 116.078,8.052 h1.8
Top Solder:
  rectangle: 135.44,46.98 136.85,49.43
  rectangle: 130.94,46.98 132.35,49.43
  rectangle: 59.3,41.963 63.015,43.924
  region: 16.383,12.662 16.383,10.938 28.689,10.938 28.689,12.662
  region: 15.85,25.513 14.127,25.513 14.127,13.207 15.85,13.207
  region: 28.702,26.046 28.702,27.769 16.396,27.769 16.396,26.046
  rectangle: 29.235,13.194 30.958,25.5
  region: 92.918,20.11 92.918,18.36 114.718,18.36 114.718,20.11
  region: 92.152,42.686 90.402,42.686 90.402,20.886 92.152,20.886
  region: 114.727,43.457 114.727,45.208 92.927,45.208 92.927,43.457
  rectangle: 115.496,20.879 117.246,42.679
Dimension:
  the board outline again, w0
Mechanical 2:
  the board outline again, w0.1
Mechanical 13:
  region: 53.934,18.646 42.921,18.646 42.723,18.448 42.723,12.149 44.018,10.853 49.608,10.853 51.283,12.528 51.283,16.475
Mechanical 16:
  lines w0.2: 0.076,75.423 0.076,81.2 0.283,81.407 10.983,81.407 14.732,85.156 14.732,95.834 13.917,96.65 13.917,119.638 13.961,119.683 16.358,119.683 16.361,119.68 16.361,97.95 17.925,96.386 17.925,69.546 29.286,69.546 29.904,70.165 43.385,70.165 44.273,71.052 44.273,98.122 40.538,101.857 40.538,119.659 43.155,119.659 43.229,119.585 43.229,102.688 46.752,99.165 46.752,70.109 44.273,67.629 34.63,67.629 33.751,66.751 33.751,39.035 34.371,38.415 42.574,38.415 42.822,38.663 42.822,49.443 45.804,52.426 52.113,52.426 56.04,48.498 56.04,39.813 61.936,39.813 63.403,41.28 63.403,67.999 68.927,73.523 96.937,73.523 101.611,78.196 118.111,78.196 121.032,81.118 121.032,94.688 115.859,99.861 115.859,109.393 113.585,111.667 113.585,119.71 117.526,119.71 117.526,112.958 119.631,110.852 119.631,101.214 124.934,95.912 124.934,84.003 125.029,83.907 141.262,83.907 142.088,84.733 142.088,119.71 145.821,119.71 145.821,82.956 145.745,82.88 158.547,82.88 159.664,81.763 159.664,75.641 143.205,75.641 141.863,76.983 125.327,76.983 120.663,72.319 103.834,72.319 98.947,67.431 70.045,67.431 68.595,65.981 68.595,39.216 64.124,34.745 53.859,34.745 51.057,37.547 51.057,46.881 50.011,47.927 48.185,47.927 47.774,47.516 47.774,38.444 43.84,34.51 43.84,23.336 45.428,21.749 50.738,21.749 51.062,22.073 52.627,20.507 52.627,0.432 48.768,0.432 48.662,0.537 48.662,18.182 43.622,18.182 40.253,21.551 40.253,34.549 40.192,34.61 32.84,34.61 28.628,38.822 28.628,64.057 26.909,65.776 16.784,65.776 13.134,69.425 13.134,74.581 12.292,75.423 0.076,75.423
Descript:
  lines w0: 2,20 2,120 ; 52,20 52,120 ; 73,0 73,120 ; 158,0 158,120
  lines w0.254: 135.004,4.004 135.012,4.012

## Dimensions
160,119 to 7,104.5 on Mechanical 16
160,119 to 47,104.5 on Mechanical 16
160,119 to 98,104.5 on Mechanical 16
1,0 to 7,104.5 on Mechanical 16
1,0 to 7,25 on Mechanical 16
7,25 to 160,1 on Mechanical 16
47,25 to 160,1 on Mechanical 16
160,1 to 78,25.068 on Mechanical 16
160,1 to 153,25 on Mechanical 16
0,119 to 151,104.5 on Mechanical 16
0,119 to 98,104.5 on Mechanical 16
0,119 to 47,104.5 on Mechanical 16
0,119 to 7,104.5 on Mechanical 16
160,119 to 151,104.5 on Mechanical 16
159,120 to 159,0 on Mechanical 16
0,1 to 47,25 on Mechanical 16
0,1 to 7,25 on Mechanical 16
0,1 to 153,25 on Mechanical 16
0,1 to 78,25.068 on Mechanical 16
1,120 to 7,25 on Mechanical 16
1,120 to 7,104.5 on Mechanical 16
1,120 to 1,0 on Mechanical 16
0,119 to 160,119 on Mechanical 16

## Text inside footprints (layer, text, board x,y; h text height)
U8: Top Overlay "*" at 41.498,39.711 h1 r270; Mechanical 13 "*" at 41.79,39.887 h1 r270; Assembly Text Bottom "0.039in/0.991mm" at 35.262,43.437 h1 r270; Assembly Text Bottom "0.1in/2.54mm" at 40.406,47.913 h1 r270; Assembly Text Bottom "0.19in/4.826mm" at 40.406,30.451 h1 r270; Assembly Text Bottom "0.38in/9.652mm" at 47.454,38.947 h1 r270; Assembly Text Bottom "0.254in/6.452mm" at 45.549,39.106 h1 r270; Assembly Text Bottom "Alt 2 Padstyle: OX90Y60D30P" at 25.61,45.297 h1 r270; Assembly Text Bottom "Alt 1 Padstyle: OX60Y90D30P" at 27.134,45.297 h1 r270; Assembly Text Bottom "Pin One Padstyle: RX67Y41D0T" at 31.706,45.615 h1 r270; Assembly Text Bottom "Default Padstyle: RX67Y41D0T" at 33.23,45.615 h1 r270
U11: Top Overlay "*" at 45.148,33.711 h1 r90; Mechanical 13 "*" at 44.922,33.562 h1 r90; Assembly Text Bottom "Default Padstyle: RX67Y41D0T" at 53.482,27.835 h1 r90; Assembly Text Bottom "Pin One Padstyle: RX67Y41D0T" at 55.006,27.835 h1 r90; Assembly Text Bottom "Alt 1 Padstyle: OX60Y90D30P" at 59.578,28.152 h1 r90; Assembly Text Bottom "Alt 2 Padstyle: OX90Y60D30P" at 61.102,28.152 h1 r90; Assembly Text Bottom "0.254in/6.452mm" at 41.163,34.343 h1 r90; Assembly Text Bottom "0.38in/9.652mm" at 39.258,34.502 h1 r90; Assembly Text Bottom "0.19in/4.826mm" at 46.306,42.999 h1 r90; Assembly Text Bottom "0.1in/2.54mm" at 46.306,25.536 h1 r90; Assembly Text Bottom "0.039in/0.991mm" at 51.45,30.013 h1 r90
U21: Top Overlay "*" at 71.819,41.488 h1; Mechanical 13 "*" at 71.682,41.712 h1; Assembly Text Bottom "Default Padstyle: RX67Y41D0T" at 65.954,33.152 h1; Assembly Text Bottom "Pin One Padstyle: RX67Y41D0T" at 65.954,31.628 h1; Assembly Text Bottom "Alt 1 Padstyle: OX60Y90D30P" at 66.272,27.056 h1; Assembly Text Bottom "Alt 2 Padstyle: OX90Y60D30P" at 66.272,25.532 h1; Assembly Text Bottom "0.254in/6.452mm" at 72.463,45.471 h1; Assembly Text Bottom "0.38in/9.652mm" at 72.622,47.376 h1; Assembly Text Bottom "0.19in/4.826mm" at 81.118,40.328 h1; Assembly Text Bottom "0.1in/2.54mm" at 63.656,40.328 h1; Assembly Text Bottom "0.039in/0.991mm" at 68.132,35.184 h1
U24: Mechanical 13 "*" at 78.007,44.863 h1 r180; Assembly Text Bottom "Default Padstyle: RX67Y41D0T" at 83.734,53.423 h1 r180; Assembly Text Bottom "Pin One Padstyle: RX67Y41D0T" at 83.734,54.947 h1 r180; Assembly Text Bottom "Alt 1 Padstyle: OX60Y90D30P" at 83.417,59.519 h1 r180; Assembly Text Bottom "Alt 2 Padstyle: OX90Y60D30P" at 83.417,61.043 h1 r180; Assembly Text Bottom "0.254in/6.452mm" at 77.226,41.104 h1 r180; Assembly Text Bottom "0.38in/9.652mm" at 77.067,39.199 h1 r180; Assembly Text Bottom "0.19in/4.826mm" at 68.571,46.247 h1 r180; Assembly Text Bottom "0.1in/2.54mm" at 86.033,46.247 h1 r180; Assembly Text Bottom "0.039in/0.991mm" at 81.556,51.391 h1 r180